# Altium PCB LimeSDR_Mini_1v0_Rounded.PcbDoc (part 2 of 5)
Units mm, origin at the board's own origin, x right, y up, seen from the top; angles counter-clockwise.
Board outline 69 x 52 mm, 8 copper layers (Top, L2, L3, L4, L5, L6, L7, Bottom), stack 1.555 mm thick; 371 components, 281 nets, 1636 pads, 782 vias.
Unrouted connection lines stored in the file: 12.
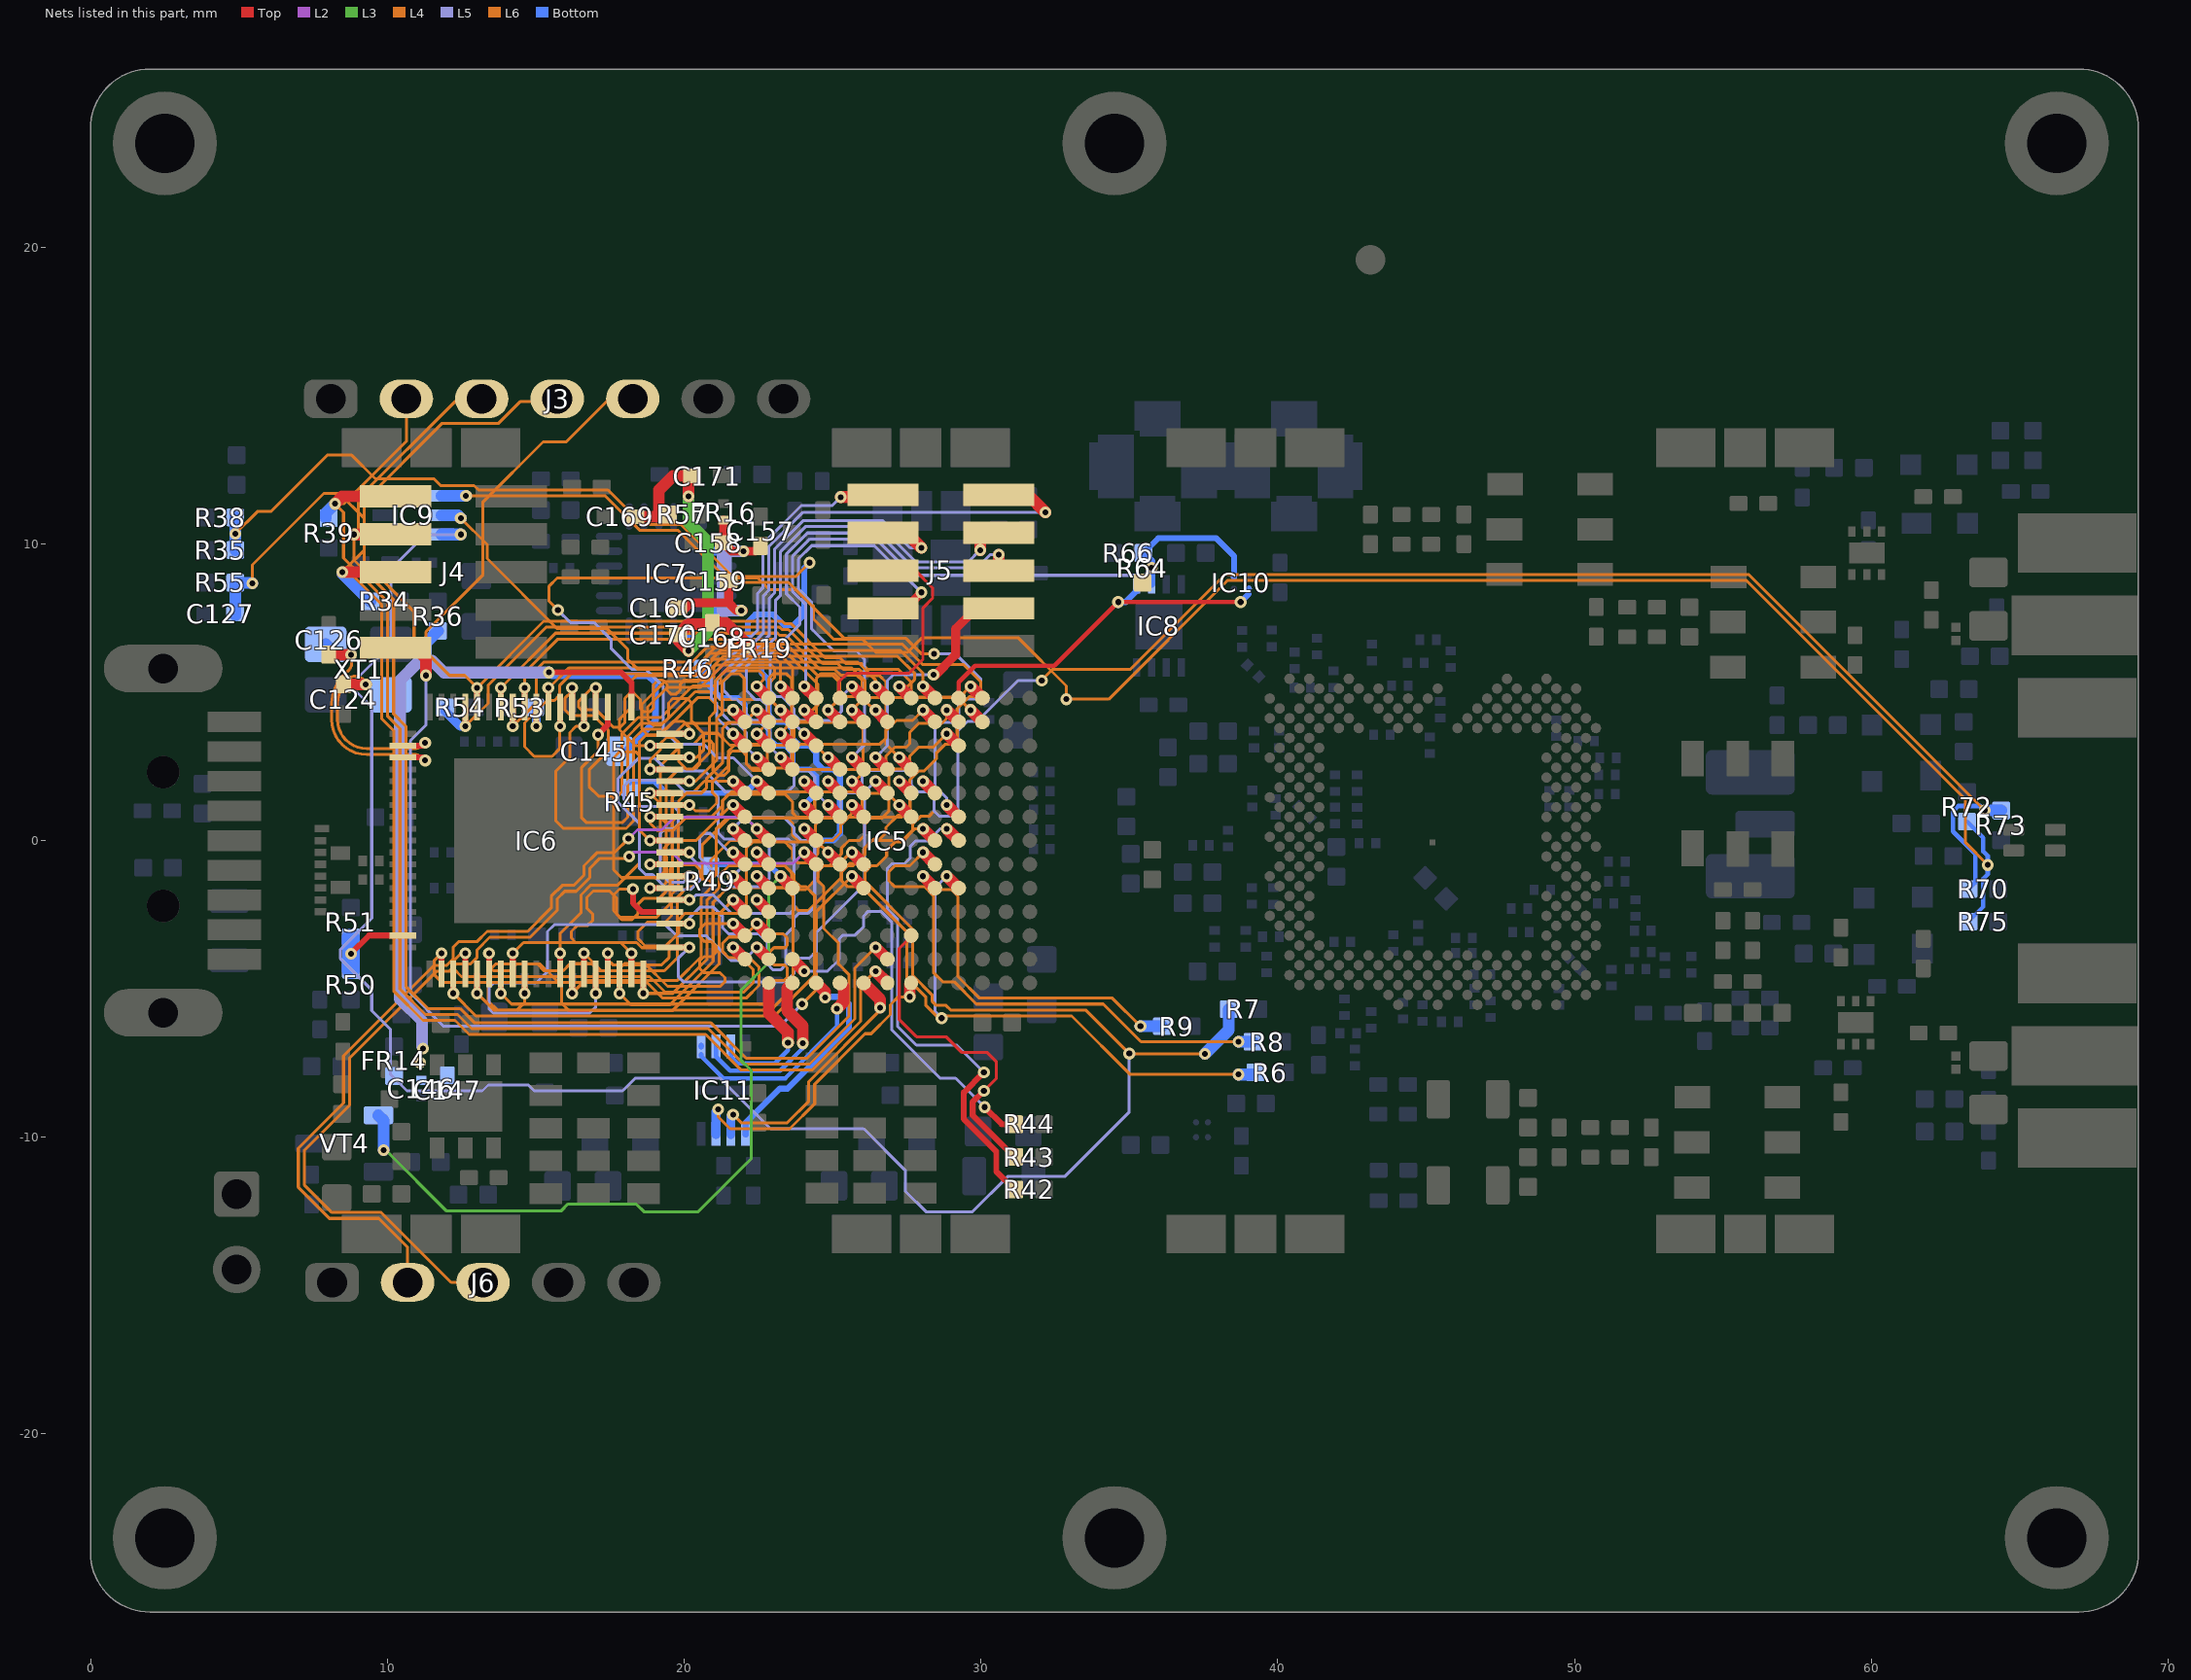
[diagram p8: the nets of this part, all layers, seen from the top]

## Footprints (in the part's own frame and the unit in brackets; to place one, negate y for a bottom-side part, rotate by r counter-clockwise, add the part's x,y. Pads: shape width x height; smd on the part's side, far side on the other; paste and mask are expansions set on the pad) (continued)
RES0805#1 [mm] "Chip Resistor, Body 2.0x1.2mm, 0805, IPC Medium Density"
  round 0.254 on Mech14: 0(0,0)
  rrect25% 0.8x1.3 smd: 1(-1,0) 2(1,0)
  Top pour cut-out: -0.6,0.75 0.6,0.75 0.6,-0.75 -0.6,-0.75
  silkscreen extent -0.38,-0.64 0.38,0.64, body extent -1.1,-0.67 1.1,0.68, height 0.69
RES0805#2 [mm] "Chip Resistor, Body 2.0x1.2mm, 0805, IPC Medium Density"
  round 0.254 on Mech15: 0(0,0)
  rrect25% 0.8x1.3 smd: 1(-1,0) 2(1,0)
  Top pour cut-out: -0.6,0.75 0.6,0.75 0.6,-0.75 -0.6,-0.75
  silkscreen extent -0.38,-0.63 0.38,0.64, body extent -1.1,-0.67 1.1,0.68, height 0.69
RES0805_0603 [mm] "Universal 0805 0603 footprint"
  round 0.254 on Mech15: 0(0,0)
  rrect25% 1x1.3 smd paste-3: 1(-0.9,0) 2(0.9,0)
  Top pour cut-out: -0.4,0.725 0.4,0.725 0.4,-0.775 -0.4,-0.775
  silkscreen extent -0.23,-0.7 0.23,0.7, body extent -1.1,-0.67 1.1,0.68, height 0.69
RFI_SHIELD_CLPS_MINI [mm] "RFI SHIELD CLIP MINI TIN SMD, S0971-46R"
  rect 2x1.3 smd mask+0.05: 1(-2,0) 1(2,0)
  rect 1.4x1.3 smd mask+0.05: 1(0,0)
  body extent -2.9,-0.5 2.9,0.5, height 1
SKY13411-374LF [mm]
  rect 0.35x0.25 smd mask+0.05: 1(-0.725,0.5) 2(-0.725,0) 3(-0.725,-0.5) 4(0.725,-0.5) 5(0.725,0) 6(0.725,0.5)
  rect 0.7x1.2 smd mask+0.05: PAD(0,0)
  silkscreen extent -1.14,-0.8 0.7,0.86, body extent -0.75,-0.75 0.75,0.75, height 0.48
SMA_CONNECTOR_BOARD_EDGE_SM [mm]
  rect 2x4.25 smd: 1(0,0)
  rect 2x4 smd far side: 2(-2.77,-0.1) 2(2.77,-0.1)
  rect 2x4 smd: 2(-2.77,-0.1) 2(2.77,-0.1)
  silkscreen extent -4.3,-1.9 4.3,2.5, body extent -3,-11.8 3,1.8, height 3.4
SOT23-3 [mm] "SOT23, 3 pin"
  round 0.5 on Mech14: 0(0,0)
  rrect25% 1x0.6 smd: D(1.15,0) G(-1.15,0.95) S(-1.15,-0.95)
  silkscreen extent -1.25,-1.45 0.38,1.81, body extent -1.4,-1.45 1.4,1.45, height 1.29
SWD_10_pin [mm]
  rect 0.75x2.4 smd: 1(-2.55,-1.95) 2(-2.55,1.95) 3(-1.275,-1.95) 4(-1.275,1.95) 5(0,-1.95) 6(0,1.95) 7(1.275,-1.95) 8(1.275,1.95) 9(2.55,-1.95) 10(2.55,1.95)
  silkscreen extent -3.2,-3.4 3.2,3.4, body extent -3.17,-2.75 3.17,2.75, height 6.37
USB3A_SM [mm]
  rect 0.7x1.8 smd: 1(-3,-1.2) 2(-1,-1.2) 3(1,-1.2) 4(3,-1.2) 5(4,-1.2) 6(2,-1.2) 7(0,-1.2) 8(-2,-1.2) 9(-4,-1.2)
  oval 1.6x4 hole 1 slot 2.5 at 90 deg: 10(-5.8,1.2) 10(5.8,1.2)
  round 1.1 hole 1.1 unplated: 11(-2.2,1.2) 11(2.3,1.2)
  silkscreen extent -6.95,-2.55 7.05,3.6, body extent -6,-1.75 6,19, height 1.8
W25Q40EWUXIE_8-USON [mm]
  rect 0.8x0.3 smd mask+0.05: 1(-1.475,0.75) 2(-1.475,0.25) 3(-1.475,-0.25) 4(-1.475,-0.75) 5(1.475,-0.75) 6(1.475,-0.25) 7(1.475,0.25) 8(1.475,0.75)
  rect 0.3x1.8 smd mask+0.05: PAD(0,0)
  silkscreen extent -1.55,-1.1 1,1.27, body extent -1.51,-1 1.51,1, height 0.6
WURTHELECTRONIC_RF_SHIELD [mm] "Man. part nr.: 36003250"
  body extent 0,0 26.8,26.8, height 3.1

## Part data
C1 C2 C3 C4 C5 C6 C7 C8 C9 C10 C11 C12 C13 C14 C15 C16 C17 C18 C19 C20 C21 C22 C23 C24 C25 C26 C27 C28 C29 C30 C31 C32 C33 C34 C35 C36 C37 C38 C39 C40 C41 C42 C43 C44 C45 C46 C47 C48 C49 C50 C51 C52 C53 C54 C55 C56 C57 C58 C59 C60 C61 C62 C63 C64 C65 C66 C67 C68 C69 C70 C71 C72 C73 C74 C75 C76 C77 C78 C79 C80 C81 C82 C83 C84 C85 C86 C87 C89 C90 C91 C92 C93 C94 C96 C97 C98 C99 C100 C101 C103 C104 C105 C106 C107 C109 C110 C111 C113 C114 C115 C116 C117 C118 C119 C120 C121 C122 C124 C126 C129 C130 C131 C132 C133 C134 C135 C136 C138 C139 C140 C141 C142 C143 C144 C146 C147 C148 C149 C151 C152 C153 C154 C155 C156 C157 C158 C159 C160 C161 C164 C165 C166 C167 C168 C169 C170 C171 C173 C178 C179 C183 MN3 MN4 MN5 MN6 MN11 MN12 MN13 MN14 MN15 MN16 MN17 MN18 MN19 MN21 MN22: library part Cap_0402
C88 C95 C102 C108 C112 C123 C125 C127 C128 C137 C145 C150 C162 C163 C172 C174 C175 C176 C177 C180 C181 C182 C184: library part Cap_0603
FR1 FR2 FR3 FR4 FR5 FR6 FR7 FR8 FR9 FR10 FR11 FR12 FR13 FR14 FR15 FR16 FR17 FR18 FR19 FR20 FR21 FR22: library part Ferrite
IC1: library part LMS7002Mr3, "Schematic symbol revision 3. Default footprint - 0.31mm pad"
IC9: library part AD5601BKSZ-REEL7, "Single 8-Bit nanoDAC with SPI Interface in LFCSP and SC70, 2.7 to 5.5 V, <100 uA, -40 to +125 degC, KS-6, Pb-Free, Reel"
IC12 IC13: "LXDC55KAAA-205"
J1 J2: library part RF_IF_connector, "CONN SMA JACK STR 50OHM EDGE MNT"
J3: library part Header7P, "Header, 7-pin"
J4 J5: library part "Header 5X2_SWD", "Header, 5-Pin, Dual row"
J6: library part Header5P, "Header, 5-pin"
J8 J9: library part RF_IF_connector, "CONN UMC RCPT STR 50 OHM SMD"
J10: library part Jumper
LED1: library part LED_green_red_SMD
LED2: library part LED_green_red_right_angle, "160-2033-1-ND"
MECH1 MECH2 MECH3 MECH4 MECH6 MECH8 MECH9 MECH10 MECH11 MECH12 MECH13 MECH14: library part RFI_SHIELD_CLIP
MECH5 MECH7 MECH15: library part RFI_SHIELD_1
MN1 MN2 MN7 MN8 MN20 MN23 MN24: library part Inductor_0603
MN9 MN10 R1 R2 R3 R4 R5 R6 R7 R8 R9 R10 R11 R12 R13 R14 R15 R16 R17 R18 R19 R20 R21 R22 R23 R24 R25 R26 R27 R28 R29 R30 R31 R32 R33 R34 R35 R36 R37 R38 R39 R40 R41 R42 R43 R44 R45 R46 R47 R48 R49 R50 R51 R52 R53 R54 R55 R56 R57 R58 R59 R60 R61 R62 R63 R64 R65 R66 R67 R68 R69 R70 R71 R72 R73 R74 R75 R76 R77 R78 R79 R80 R81 R82 R83 R84 R85: library part Res_0402
VT1 VT2 VT3: library part BF1105R,215
XO1: library part Rakon_RTX5032A
XT1: library part CRYSTAL_19M2, "Oscillator Crystal 25 MHz"

## Free pads (board coordinates)
  round 3.5 hole 2 mask+0.05: 2(2.5,-23.5) 2(2.5,23.5) 2(34.5,-23.5) 2(34.5,23.5) 2(66.25,-23.5) 2(66.25,23.5)

## Via types
v1: diameter 0.4, hole 0.2, Top to Bottom, tented both sides, 548 vias
v2: diameter 0.4, hole 0.2, Top to Bottom, tented top, 113 vias
v3: diameter 0.35, hole 0.2, Top to Bottom, tented top, 87 vias
v4: diameter 0.5, hole 0.2, Top to Bottom, 25 vias
v5: diameter 0.5, hole 0.2, Top to Bottom, tented both sides, 8 vias
v6: diameter 0.35, hole 0.2, Top to Bottom, tented both sides, 1 vias

## Nets (pads, with @x,y where several pads share a name; then routed paths per layer and width w, separated by ;. In a path a pad name is that pad's centre, name@x,y a point inside that pad or via, vN(x,y) a via of type N, cw(c..) or ccw(c..) an arc to the next point about the centre after c; other vN are vias at no path point)
+1.8V_DIG_LMK: C157.2 C158.2 C159.2 C160.2 FR16.2 IC7.2 IC7.6 | length 10.5
  Top w0.3: C160.2@19.775,7.765 19.972,7.765 20.222,8.015 21.5,8.015 ; C158.2@21.325,10.04 21.615,9.75 v1(22,9.75) 22.4,9.75 C157.2@22.575,9.925 ; C158.2@21.325,10.04 FR16.2@21.325,10.795 ; C159.2@21.5,8.75 21.5,8.015 ; v1@22,7.75 21.765,7.75 21.5,8.015
  L5 w0.4: 21.35,7.75 v1(21.925,7.75) ; 21.35,9.75 v1(22,9.75)
  L5 w0.5: 21.35,7.75 21.35,9.75
  Bottom w0.3: IC7.6@21,7.75 IC7.6@21.325,7.75 v1(21.925,7.75) ; IC7.2@21,9.75 IC7.2@21.325,9.75 v1(22,9.75)
+3.3V_DIG_LMK: C168.2 C169.2 C170.2 C171.2 FR19.2 IC7.8 IC7.23 R57.2 | length 14.9
  Top w0.4: C169.2@18.35,10.915 19.15,10.915 19.15,11.807 19.633,12.29 C171.2@20.275,12.29 20.15,12.165 v1(20.15,11.6) ; v1(20.15,6.4) 19.8,6.75 C170.2@19.8,6.94 20.15,7.29 20.95,7.29 C168.2@20.95,7.34 21.395,7.34 FR19.2@22.245,6.49
  L3 w0.4: v1(20.15,6.4) 20.8,7.05 20.8,10.065 20.15,10.715 v1(20.15,11.6)
  L4 w0.4: v1(20.15,6.4) v1@20.157,6.4
  Bottom w0.3: v1(20.15,6.4) IC7.8@20.15,7.075 ; IC7.23@20.15,10.6 IC7.23@20.15,10.925 v1(20.15,11.6)
AVDD_FT: C145.2 C146.2 C147.1 FR14.2 IC6.2 | length 28.3
  Top w0.2: v1(15.45,5.665) 17.876,5.665 18.225,5.316 IC6.2@18.225,4.5
  L5 w0.4: v1@11.175,-6.935 11.175,-6.085 10.425,-5.335 10.425,5.397 11.093,6.065 11.507,6.065 11.907,5.665 v1(15.45,5.665)
  Bottom w0.23: v1(15.45,5.665) 15.55,5.565 18.797,5.565 19.04,5.322 19.04,4.03 C145.2@18.025,3.015
  other v1: 11.1,-7.485 11.2,-7.01
BOM_VER0: IC5.K7 R42.2 | length 17.3
  Top w0.2: v1(30.1,-7.81) 29.425,-8.485 29.425,-9.386 30.525,-10.486 30.525,-11.16 R42.2@31.125,-11.76
  Top w0.4: v1(28.85,0.4) IC5.K7@29.25,0
  L5 w0.1: v1(28.85,0.4) 28.635,0.4 28.225,-0.01 27.8,-0.01 27.625,-0.185 27.625,-0.585 27.425,-0.785 27,-0.785 26.85,-0.935 26.85,-2.31 27.2,-2.66 27.2,-6.269 27.828,-6.898 29.188,-6.898 v1(30.1,-7.81)
BOM_VER1: IC5.H3 R43.2 | length 11
  Top w0.1: IC5.H3@27.65,-3.2 27.65,-3.235 27.25,-3.635 27.25,-6.035 27.825,-6.61 28.825,-6.61 29.35,-7.135 30.2,-7.135 30.525,-7.46 30.525,-8.01 v1(30.1,-8.435)
  Top w0.2: v1(30.1,-8.435) 29.725,-8.81 29.725,-9.262 R43.2@31.127,-10.665
BOM_VER2: IC5.C2 R44.2 | length 14.2
  Top w0.2: v1(30.125,-8.985) 30.7,-9.56 R44.2@31.125,-9.56
  Top w0.4: IC5.C2@23.65,-4 v1(24.05,-4.4)
  L5 w0.1: v1(24.05,-4.4) 24.835,-4.4 25.225,-4.01 25.225,-3.31 25.35,-3.185 25.76,-3.185 26.05,-2.895 26.05,-2.535 26.2,-2.385 26.625,-2.385 27,-2.76 27,-6.385 28.625,-8.01 29.15,-8.01 v1(30.125,-8.985)
FAN_CTRL: IC5.C5 R49.2 VT4.G | length 28.8
  Top w0.4: v2(23.25,-1.2) IC5.C5@23.65,-1.6
  L3 w0.1: v1(9.875,-10.435) 9.95,-10.435 12,-12.485 15.85,-12.485 16.08,-12.255 18.39,-12.255 18.645,-12.51 20.475,-12.51 22.262,-10.723 22.262,-7.747 21.925,-7.41 21.925,-5.035 22.85,-4.11 22.85,-1.6 v2(23.25,-1.2)
  Bottom w0.2: R49.2@20.875,-0.86 20.935,-0.8 22.85,-0.8 v2(23.25,-1.2)
  Bottom w0.4: VT4.G@9.7,-9.26 9.875,-9.435 v1(9.875,-10.435)
FPGA_CONFIG_SEL: IC5.D7 R35.2 R38.2 | length 38.6
  Top w0.4: v2(24.05,0.4) IC5.D7@24.45,0
  L4 w0.1: v1(4.875,10.34) 5.625,11.09 6.075,11.09 7.975,12.99 8.8,12.99 9.6,12.19 11.575,12.19 11.8,11.965 12.925,11.965 13.075,11.815 17.433,11.815 18.598,10.65 19.89,10.65 21.64,8.9 23.76,8.9 v1(24.225,9.365)
  Bottom w0.2: v2(24.05,0.4) 24.45,0 25.016,0 25.25,0.234 25.25,2.166 25.016,2.4 24.684,2.4 24.45,2.634 24.45,2.966 24.216,3.2 23.884,3.2 23.65,3.434 23.65,3.766 23.416,4 23.04,4 22.85,4.19 22.85,5.415 22.6,5.665 22.6,6.315 22.15,6.765 22.15,7.369 22.396,7.615 23.009,7.615 23.359,7.265 23.691,7.265 24.05,7.624 24.05,9.19 v1(24.225,9.365)
  Bottom w0.4: R35.2@4.875,9.79 v1(4.875,10.34) R38.2@4.875,10.89
FPGA_EGPIO0: IC5.B7 J6.2 | length 29.4
  Top w0.4: v2(22.45,0.4) IC5.B7@22.85,0
  L2 w0.1: v1(18.125,0.065) 18.425,0.365 19.25,0.365 19.675,0.79 22.06,0.79 v2(22.45,0.4)
  L6 w0.1: J6.2@10.682,-14.89 10.682,-13.708 9.709,-12.735 8.05,-12.735 7,-11.685 7,-10.369 8.525,-8.844 8.525,-7.252 11.567,-4.21 12,-4.21 12.225,-3.985 12.225,-3.585 12.4,-3.41 13.017,-3.41 13.367,-3.06 14.731,-3.06 15.525,-2.266 15.525,-1.877 15.892,-1.51 16.281,-1.51 16.625,-1.166 16.625,-0.851 17.076,-0.4 17.66,-0.4 v1(18.125,0.065)
FPGA_EGPIO1: IC5.D6 J6.3 | length 31.9
  Top w0.4: v2(24.05,-0.4) IC5.D6@24.45,-0.8
  L2 w0.1: v1(18.15,-0.535) 18.3,-0.385 19.575,-0.385 19.95,-0.76 23.69,-0.76 v2(24.05,-0.4)
  L6 w0.1: J6.3@13.225,-14.89 12.147,-14.89 9.792,-12.535 8.133,-12.535 7.2,-11.602 7.2,-10.452 8.725,-8.927 8.725,-7.335 11.65,-4.41 12.083,-4.41 12.333,-4.16 12.8,-4.16 13.025,-3.935 13.025,-3.685 13.45,-3.26 14.814,-3.26 15.725,-2.349 15.725,-1.96 15.975,-1.71 16.364,-1.71 16.825,-1.249 16.825,-0.934 17.159,-0.6 18.085,-0.6 v1(18.15,-0.535)
FPGA_GPIO0: IC5.A11 J5.1 | length 12.7
  Top w0.4: v2(21.65,3.6) IC5.A11@22.05,3.2 ; v1(25.275,11.575) J5.1@26.7,11.575
  L5 w0.1: v2(21.65,3.6) 21.1,4.15 21.1,4.632 20.92,4.812 20.92,5.531 22.475,7.086 22.475,8.339 22.65,8.514 22.65,9.99 23.95,11.29 24.99,11.29 v1(25.275,11.575)
FPGA_GPIO1: IC5.B10 J5.2 | length 20.7
  Top w0.4: v2(22.45,2.8) IC5.B10@22.85,2.4 ; J5.2@30.6,11.65 31.59,11.65 v1(32.175,11.065)
  L5 w0.1: v2(22.45,2.8) 22.1,3.15 22.1,3.645 21.795,3.95 21.605,3.95 21.3,4.255 21.3,4.715 21.12,4.895 21.12,5.448 22.675,7.003 22.675,8.256 22.85,8.431 22.85,9.907 24.008,11.065 v1(32.175,11.065)
FPGA_GPIO2: IC5.C10 J5.3 | length 16.5
  Top w0.4: v2(23.25,2.8) IC5.C10@23.65,2.4 ; J5.3@26.7,10.375 27.49,10.375 v1(28,9.865)
  L5 w0.1: v2(23.25,2.8) 22.9,3.15 22.9,3.645 22.495,4.05 22.305,4.05 22.1,4.255 22.1,4.445 21.773,4.772 21.623,4.772 21.32,5.075 21.32,5.365 22.875,6.92 22.875,8.173 23.05,8.348 23.05,9.824 24.005,10.78 26.701,10.78 27.616,9.865 v1(28,9.865)
FPGA_GPIO3: IC5.D11 J5.4 | length 16.7
  Top w0.4: v2(24.05,3.6) IC5.D11@24.45,3.2 ; v1(29.975,9.79) J5.4@29.975,10.375
  L5 w0.1: v2(24.05,3.6) 23.6,4.05 23.105,4.05 22.8,4.355 22.8,4.545 22.595,4.75 22.405,4.75 22.1,5.055 22.1,5.862 23.075,6.837 23.075,8.09 23.25,8.265 23.25,9.741 24.088,10.58 26.618,10.58 27.808,9.39 29.575,9.39 v1(29.975,9.79)
FPGA_GPIO4: IC5.E13 J5.5 | length 8.2
  Top w0.1: IC5.E13@25.25,4.8 25.217,4.833 25.217,5.357 25.493,5.633 27.57,5.633 28.05,6.113 28.05,7.84 28.375,8.165 28.375,8.515 27.79,9.1 J5.5@26.7,9.1
FPGA_GPIO5: IC5.F13 J5.6 | length 18.5
  Top w0.4: v2(25.65,5.2) IC5.F13@26.05,4.8 ; J5.6@30.6,9.1 v1(30.6,9.64)
  L5 w0.1: v2(25.65,5.2) 25.3,4.85 25.3,4.355 24.995,4.05 23.905,4.05 23.7,4.255 23.7,4.445 23.295,4.85 23.105,4.85 22.9,5.055 22.9,6.29 23.9,7.29 23.9,7.865 23.45,8.315 23.45,9.659 24.156,10.365 26.55,10.365 27.725,9.19 29.87,9.19 30.32,9.64 v1(30.6,9.64)
FPGA_GPIO6: IC5.F10 J5.7 | length 15.3
  Top w0.3: J5.7@26.7,7.825 27.46,7.825 v1(28,8.365)
  Top w0.4: v2(25.65,2.8) IC5.F10@26.05,2.4
  L5 w0.1: v2(25.65,2.8) 26.075,3.225 26.075,6.115 25.8,6.39 25.042,6.39 24.3,7.132 24.3,8.031 23.85,8.481 23.85,9.493 24.297,9.94 26.409,9.94 27.984,8.365 v1(28,8.365)
FPGA_GPIO7: IC5.G10 J5.8 | length 8.6
  Top w0.3: v1@28.425,5.54 29.15,6.265 29.15,7.14 29.835,7.825 J5.8@30.6,7.825
  Top w0.4: v2(26.45,2.8) IC5.G10@26.85,2.4
  L5 w0.1: v2(26.45,2.8) 26.85,3.2 26.85,5.39 27.05,5.59 v1(28.4,5.59)
FPGA_I2C_SCL: IC5.D13 IC8.2 IC10.A2 R66.2 | length 23.5
  Top w0.4: v2(24.05,5.2) IC5.D13@24.45,4.8
  L5 w0.1: v2(24.05,5.2) 24.1,5.25 24.1,7.948 23.65,8.398 23.65,9.576 24.239,10.165 26.467,10.165 27.692,8.94 35.5,8.94 v1(35.75,9.19)
  Bottom w0.2: R66.2@35.475,9.69 35.975,10.19 37.925,10.19 38.525,9.59 IC10.A2@38.525,8.89
  Bottom w0.25: R66.2@35.475,9.69 35.75,9.415 v1(35.75,9.19) IC8.2@35.75,8.64
FPGA_I2C_SDA: IC5.K13 IC8.1 IC10.B1 R64.2 | length 12.9
  Top w0.15: IC5.K13@29.192,4.858 IC5.K13@29.25,4.8 29.25,5.33 29.81,5.89 32.475,5.89 v1(34.625,8.04) v1(38.75,8.04)
  Bottom w0.2: v1@34.625,7.94 v1(34.625,8.04) 34.875,8.04 35.25,8.415 IC8.1@35.25,8.64 ; v1(38.75,8.04) 39.025,8.315 IC10.B1@39.025,8.49
FPGA_JTAG_TCK: IC5.G2 J3.2 J4.1 R39.1 | length 44.9
  Top w0.4: v1(8.235,11.35) 8.485,11.6 J4.1@10.275,11.6 ; v2(26.45,-3.6) IC5.G2@26.85,-4
  L4 w0.1: v1(8.235,11.35) 8.525,11.06 8.525,9.524 9.567,8.482 10.012,8.035 10.012,4.185 10.425,3.773 10.425,-5.002 11.283,-5.86 12.369,-5.86 12.844,-6.335 20.808,-6.335 22.008,-7.535 24.225,-7.535 25.75,-6.01 25.75,-4.3 v2(26.45,-3.6)
  L6 w0.1: v1(8.235,11.35) 8.535,11.35 10.639,13.454 J3.2@10.639,14.79
  Bottom w0.4: R39.1@7.925,10.865 7.925,11.04 v1(8.235,11.35)
FPGA_JTAG_TDI: IC5.F5 J3.5 J4.9 R36.1 | length 47
  Top w0.4: J4.9@10.275,6.5 10.94,6.5 11.3,6.14 v1(11.3,5.565) ; v2(25.65,-1.2) IC5.F5@26.05,-1.6
  L5 w0.1: v1(11.3,5.565) 11.3,3.89 10.775,3.365 10.775,-5.135 11.9,-6.26 23.225,-6.26 v1(23.975,-5.51)
  L6 w0.1: v1(11.3,5.565) 11.3,7.035 13.225,8.96 13.225,11.415 15.25,13.44 16.03,13.44 17.38,14.79 J3.5@18.268,14.79 ; v1(23.975,-5.51) 24.45,-5.035 24.45,-2.4 v2(25.65,-1.2)
  Bottom w0.4: v1(11.3,5.565) 11.3,6.665 R36.1@11.7,7.065
FPGA_JTAG_TDO: IC5.F6 J3.3 J4.3 | length 48
  Top w0.4: v1(8.875,10.315) 10.265,10.315 J4.3@10.275,10.325 ; v2(25.65,-0.4) IC5.F6@26.05,-0.8
  L4 w0.1: v1(8.875,10.315) 8.875,9.457 9.771,8.561 9.771,8.56 10.212,8.118 10.212,4.268 10.625,3.856 10.625,-4.919 11.366,-5.66 12.452,-5.66 12.927,-6.135 20.891,-6.135 22.091,-7.335 24.142,-7.335 25.55,-5.927 25.55,-4.51 25.2,-4.16 25.2,-3.455 24.705,-2.96 24.705,-1.55 24.5,-1.345 24.5,-1.055 24.705,-0.85 25.16,-0.85 25.61,-0.4 v2(25.65,-0.4)
  L6 w0.1: v1(8.875,10.315) 9.025,10.465 9.025,11.54 12.275,14.79 J3.3@13.182,14.79
FPGA_JTAG_TMS: IC5.G1 J3.4 J4.5 R34.1 | length 48.7
  Top w0.4: v1(8.485,9.05) J4.5@10.275,9.05 ; v2(26.45,-4.4) IC5.G1@26.85,-4.8
  L4 w0.1: v1(8.485,9.05) 8.715,9.05 9.812,7.953 9.812,4.103 10.225,3.69 10.225,-5.085 11.2,-6.06 12.286,-6.06 12.761,-6.535 20.725,-6.535 21.925,-7.735 24.308,-7.735 25.95,-6.093 25.95,-4.9 v2(26.45,-4.4)
  L6 w0.1: v1(8.485,9.05) 9.225,9.79 9.225,11.44 11.85,14.065 13.75,14.065 14.475,14.79 J3.4@15.725,14.79
  Bottom w0.4: v1(8.485,9.05) 8.485,9.005 R34.1@9.425,8.065
FPGA_LED_G: IC5.D8 R46.2 R70.2 R73.2 | length 63.1
  Top w0.4: v2(24.05,1.2) IC5.D8@24.45,0.8
  L4 w0.1: v1@31.975,5.34 32.4,5.765 35.025,5.765 38.225,8.965 55.875,8.965 v1(63.825,1.015)
  L5 w0.1: v2(24.05,1.2) 24.485,0.765 25.05,0.765 25.275,0.99 25.275,1.39 25.5,1.615 25.782,1.615 26,1.833 26,2.215 26.15,2.365 27.425,2.365 27.65,2.14 27.65,1.89 27.9,1.64 28.2,1.64 28.425,1.415 28.425,0.99 28.6,0.815 29.05,0.815 29.225,0.99 29.225,3.69 29.55,4.015 29.875,4.015 31.25,5.39 v1(32.05,5.39)
  Bottom w0.15: R70.2@63.275,-1.635 63.5,-1.41 63.5,-0.447 62.75,0.303 62.75,0.977 62.938,1.165 63.675,1.165 v1(63.825,1.015)
  Bottom w0.2: R46.2@20.675,5.79 20.675,5.38 21.255,4.8 21.816,4.8 22.05,4.566 22.05,4.234 22.284,4 22.616,4 22.85,3.766 22.85,3.434 23.084,3.2 23.416,3.2 23.65,2.966 23.65,2.59 23.84,2.4 24.216,2.4 24.45,2.166 24.45,1.6 v2(24.05,1.2)